# Altium PCB PCB5.pcbdoc
Units mil, origin at the board's own origin, x right, y up, seen from the top; angles counter-clockwise.
Board outline 5085.49 x 3605 mil, 2 copper layers (Top Layer, Bottom Layer); 6 components, 4 nets, 18 pads, 2 vias.
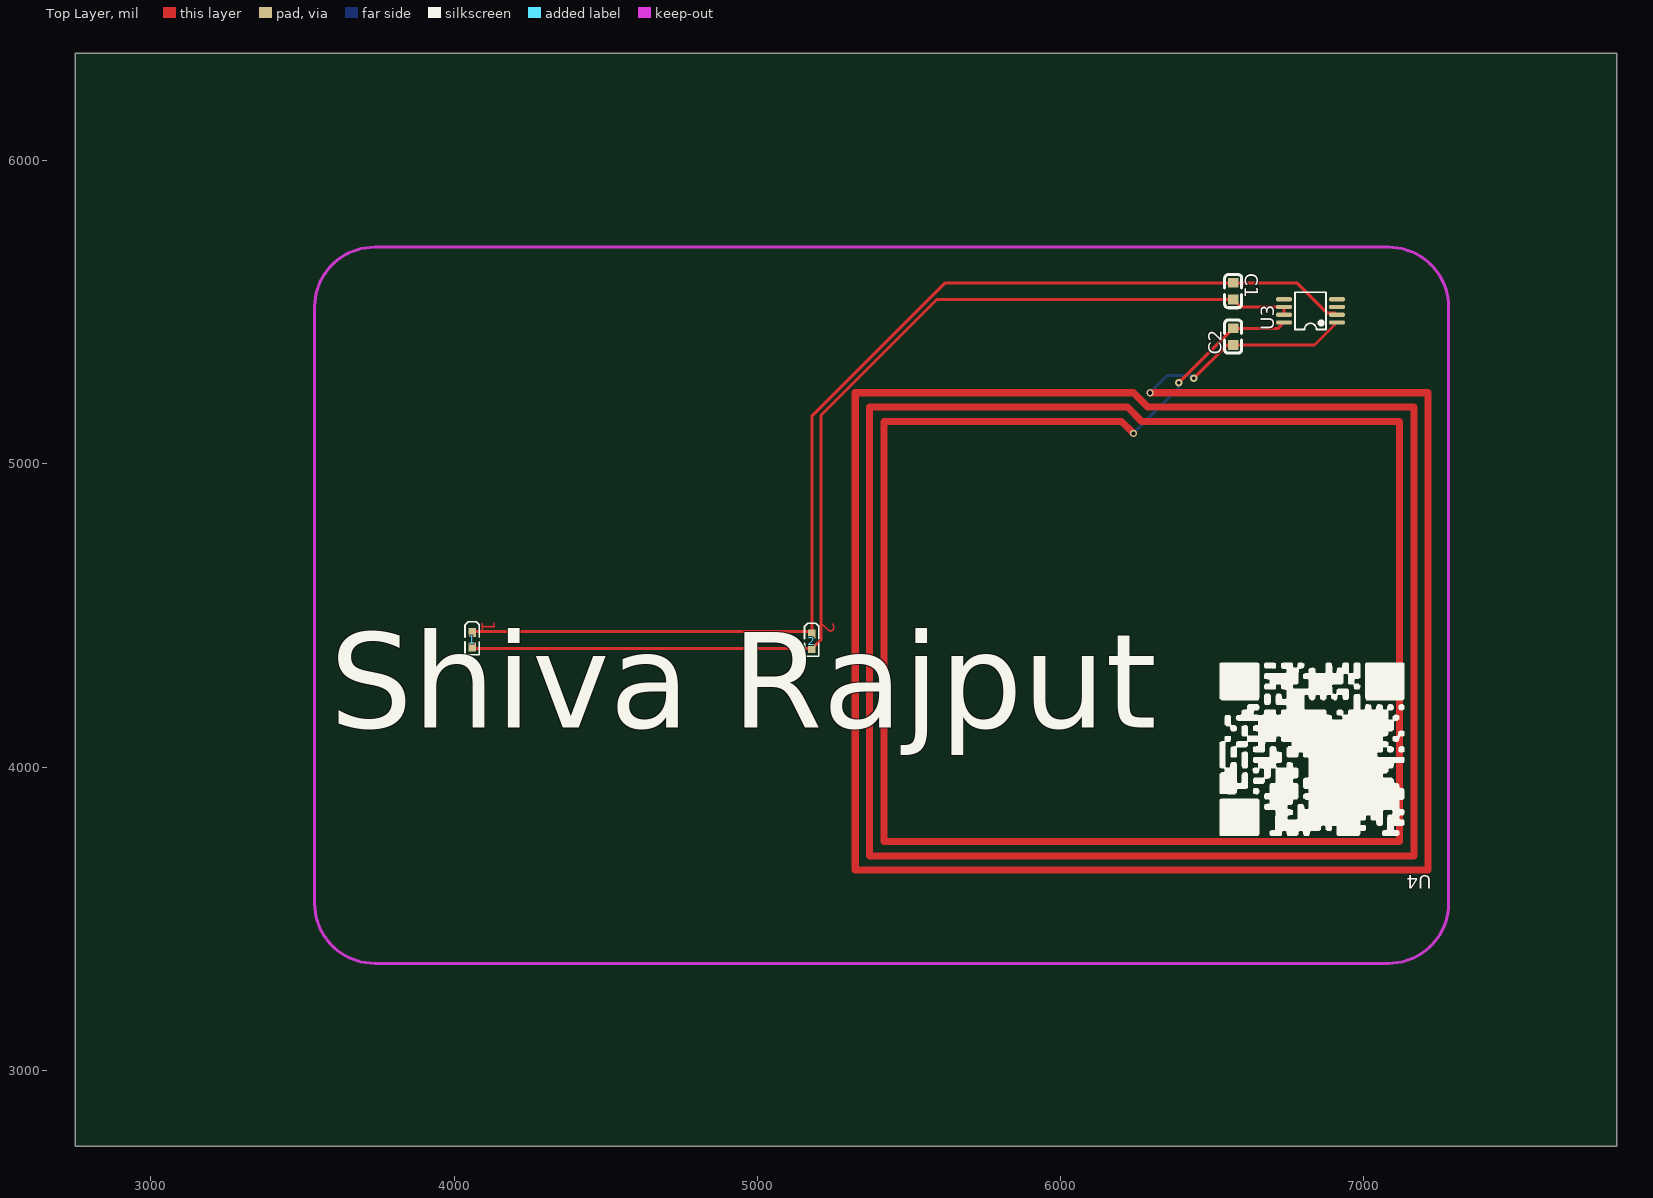
[diagram p0: Top Layer view]
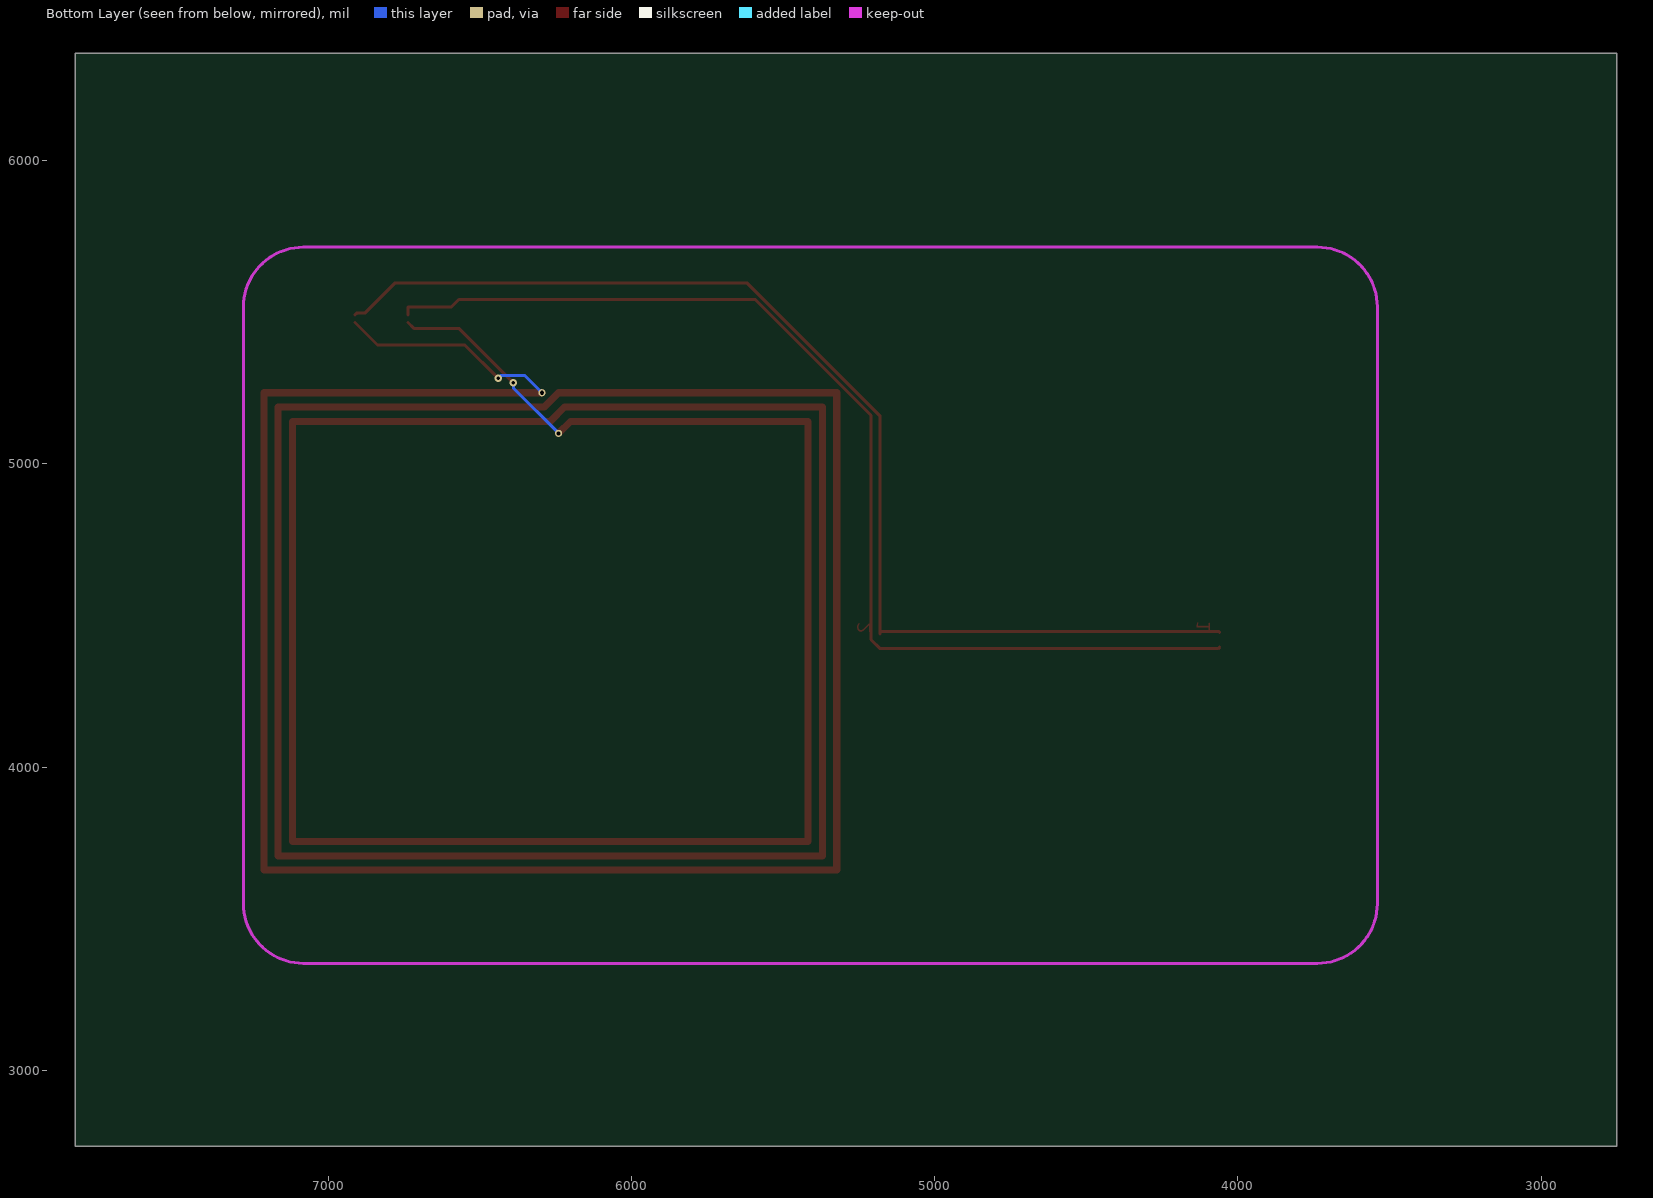
[diagram p1: Bottom Layer view, seen from below]

## Layer stack, top to bottom
Top Layer: signal copper (thickness not stored)
Dielectric: dielectric 12.6, FR-4, Dk 4.8
Bottom Layer: signal copper (thickness not stored)

## Board outline
7835.49,2750 2750,2750 2750,6355 7835.49,6355

## Design rules (kind name [scope] priority, off if disabled: settings)
BoardOutlineClearance copperThickness1oz [All] p0: genericclearance=10 ignorepadtopadclearanceinfootprint=FALSE except(0: Arc-SplitContinuation Track-SplitContinuation SMDPad-SplitContinuation THPad-SplitContinuation Via-SplitContinuation Fill-SplitContinuation Poly-SplitContinuation Region-SplitContinuation Text-SplitContinuation; 6: Track-CutoutEdge SMDPad-CutoutEdge THPad-CutoutEdge Via-CutoutEdge Region-CutoutEdge; 11.8: Track-OutlineEdge SMDPad-OutlineEdge THPad-OutlineEdge Via-OutlineEdge Fill-OutlineEdge Region-OutlineEdge Poly-OutlineEdge Text-OutlineEdge Fill-CutoutEdge)
BoardOutlineClearance copperThickness2oz [All] p0: genericclearance=10 ignorepadtopadclearanceinfootprint=FALSE except(0: Arc-SplitContinuation Track-SplitContinuation SMDPad-SplitContinuation THPad-SplitContinuation Via-SplitContinuation Fill-SplitContinuation Poly-SplitContinuation Region-SplitContinuation Text-SplitContinuation; 6: Track-CutoutEdge SMDPad-CutoutEdge THPad-CutoutEdge Via-CutoutEdge Region-CutoutEdge; 11.8: Track-OutlineEdge SMDPad-OutlineEdge THPad-OutlineEdge Via-OutlineEdge Fill-OutlineEdge Region-OutlineEdge Poly-OutlineEdge Text-OutlineEdge Fill-CutoutEdge)
Clearance copperThickness1oz [(InNet('$1N3505') OR InNet('$1N3515') OR InNet('$1N2283') OR InNet('$1N2289'))] p1: gap=7 ignorepadtopadclearanceinfootprint=FALSE except(4: Track-Track; 6: Track-SMDPad SMDPad-SMDPad Track-THPad SMDPad-THPad THPad-THPad Track-Via SMDPad-Via THPad-Via Via-Via SMDPad-Fill THPad-Fill Via-Fill Fill-Fill Track-Region SMDPad-Region THPad-Region Via-Region Region-Region Track-Poly SMDPad-Poly THPad-Poly Via-Poly Fill-Poly Region-Poly Poly-Poly Track-Text SMDPad-Text THPad-Text Via-Text Fill-Text Region-Text Poly-Text Text-Text; 6.9: Track-Hole SMDPad-Hole THPad-Hole Via-Hole Fill-Hole Region-Hole Poly-Hole Text-Hole Sheet-Hole; 11.8: Track-Fill Fill-Region Track-Sheet SMDPad-Sheet THPad-Sheet Via-Sheet Fill-Sheet Region-Sheet Poly-Sheet Text-Sheet)
Clearance copperThickness2oz [All] p1: gap=7 ignorepadtopadclearanceinfootprint=FALSE except(6: Track-SMDPad SMDPad-SMDPad Track-THPad SMDPad-THPad THPad-THPad Track-Via SMDPad-Via THPad-Via Via-Via SMDPad-Fill THPad-Fill Via-Fill Fill-Fill Track-Region SMDPad-Region THPad-Region Via-Region Region-Region Track-Poly SMDPad-Poly THPad-Poly Via-Poly Fill-Poly Region-Poly Poly-Poly Track-Text SMDPad-Text THPad-Text Via-Text Fill-Text Region-Text Poly-Text Text-Text; 6.9: Track-Hole SMDPad-Hole THPad-Hole Via-Hole Fill-Hole Region-Hole Poly-Hole Text-Hole Sheet-Hole; 8: Track-Track; 11.8: Track-Fill Fill-Region Track-Sheet SMDPad-Sheet THPad-Sheet Via-Sheet Fill-Sheet Region-Sheet Poly-Sheet Text-Sheet)
DiffPairsRouting differentialPair [All] p1: maxuncoupledlength=10 minlimit=6 maxlimit=6 mostfreqgap=6 toplayer_minwidth=5 toplayer_prefwidth=10 toplayer_maxwidth=100 bottomlayer_minwidth=5 bottomlayer_prefwidth=10 bottomlayer_maxwidth=100
PasteMaskExpansion pasteMaskExpansion [All] p1: expansion=0
PlaneConnect innerPlane [All] p1: planeconnectstyle=Relief reliefexpansion=20 reliefentries=4 reliefconductorwidth=10 reliefairgap=10
PolygonConnect copperRegion [All] p1: connectstyle=Relief reliefentries=4 reliefconductorwidth=10 polygonreliefangle="90 Angle" airgapwidth=10
RoutingVias viaSize [All] p1: viastyle="Through Hole" holewidth=12.0078 minholewidth=11.811 maxholewidth=248.0314 width=24.0158 minwidth=19.685 maxwidth=393.7008
SolderMaskExpansion solderMaskExpansion [All] p1: useseparateexpansions=TRUE expansion=2 expansionbottom=2
Width copperThickness1oz [All] p1: maxlimit=100 minlimit=5 preferedwidth=10
Width copperThickness2oz [All] p1: maxlimit=100 minlimit=8 preferedwidth=10

## Components (designator, comment, footprint, x,y, rotation, side; value= is the part's Value field where it differs from the comment)
1 "YLED0402Y" LED0402-R-RD 4060,4420 r270 top
2 "YLED0402Y" LED0402-R-RD 5180,4415 r270 top
C1 "CL10B224KB8NNNC" C0603 6570,5570 r270 top
C2 "CC0603JRNPO9BN101" C0603 6570,5420 r90 top
U3 "NT3H2211W0FTTJ" TSSOP-8_L3.0-W3.0-P0.65-LS4.9-BL 6825,5505 r90 top
U4 "NFC_business_card_device" NFC_ant 7225,3660 r180 top

## Footprints (in the part's own frame and the unit in brackets; to place one, negate y for a bottom-side part, rotate by r counter-clockwise, add the part's x,y. Pads: shape width x height; smd on the part's side, far side on the other; paste and mask are expansions set on the pad)
C0603 [mm]
  rect 0.8x0.9 smd: 1(-0.7,0) 2(0.7,0)
  silkscreen extent -1.39,-0.71 1.39,0.71
LED0402-R-RD [mm]
  rect 0.75x0.6 smd: 1(0.623,0) 2(-0.623,0)
  silkscreen extent -1.51,-0.61 1.26,0.58
NFC_ant [mm]
  round 0.6 hole 0.35: 1(23.6,-40) 2(25,-36.6)
  Top Layer lines w0.6: 25,-36.6 25,-36.602 25.998,-37.6 45.9,-37.6 45.9,-2.4 2.7,-2.4 2.7,-37.6 21.9,-37.6 24.301,-37.6 25.5,-38.8 47.1,-38.8 47.1,-1.2 1.5,-1.2 1.5,-38.8 23.8,-38.8 25,-40 48.3,-40 48.3,0 0.3,0 0.3,-40 ; 23.6,-39.999 0.3,-39.999
TSSOP-8_L3.0-W3.0-P0.65-LS4.9-BL [mm]
  oval 0.37x1.35 smd: 1(-0.975,-2.22) 2(-0.325,-2.22) 3(0.325,-2.22) 4(0.975,-2.22) 5(0.975,2.22) 6(0.325,2.22) 7(-0.325,2.22) 8(-0.975,2.22)
  silkscreen extent -1.55,-1.31 1.55,1.3

## Via types
v1: diameter 24.02, hole 12.01, Top Layer to Bottom Layer, 2 vias

## Nets (pads, with @x,y where several pads share a name; then routed paths per layer and width w, separated by ;. In a path a pad name is that pad's centre, name@x,y a point inside that pad or via, vN(x,y) a via of type N, cw(c..) or ccw(c..) an arc to the next point about the centre after c; other vN are vias at no path point)
$1N2283: C2.2 U3.8 U4.2 | length 658.5
  Top Layer w10: v1(6390,5267.56) C2.2 6718.54,5447.56 U3.8
  Bottom Layer w10: U4.2 6390,5250.19 v1(6390,5267.56)
$1N2289: C2.1 U3.1 U4.1 | length 720.8
  Top Layer w10: v1(6440,5282.44) 6550,5392.44 C2.1 6838.24,5392.44 U3.1
  Bottom Layer w10: U4.1 6353.51,5292.44 6430,5292.44 v1(6440,5282.44)
$1N3505: 1.1 2.1 C1.2 U3.6 U3.7 | length 3626.1
  Top Layer w10: 1.1 4065,4390.47 2.1 5210,4420.47 5210,5160.47 5591.97,5542.44 C1.2 6594.64,5517.8 U3.6 U3.7
$1N3515: 1.2 2.2 C1.1 U3.2 | length 3797.6
  Top Layer w10: 1.2 4063.03,4447.56 2.2@5180,4447.56 ; 2.2 2.2@5180,4447.56 ; U3.2 6907.06,5497.56 6880,5497.56 6780,5597.56 C1.1 5620,5597.56 5180,5157.56 2.2@5180,4447.56
pads on no net: U3.3 U3.4 U3.5

## Keep-outs
Board Outline Layer:
  lines w10: 3540,3549.65 ccw(c3736.85,3549.65) 3736.85,3352.8 7083.31,3352.8 ccw(c7083.31,3549.65) 7280.16,3549.65 7280.16,5518.15 ccw(c7083.31,5518.15) 7083.31,5715 3736.85,5715 ccw(c3736.85,5518.15) 3540,5518.15 3540,3549.65

## Silkscreen, mask and mechanical layers (free items; w line width, h text height)
Top Silkscreen Layer:
  drawing of 17 lines, arcs and shapes, not listed
  text "Shiva Rajput" at 3590,4130 h314.96
Top Solder Mask Layer:
  drawing of 351 lines, arcs and shapes, not listed
  text "www.technologylab.in / mishiva2021@gmail.com / +91 73003-74592" at 3610,3755 h98.43
Bottom Solder Mask Layer:
  drawing of 6372 lines, arcs and shapes, not listed